# Altium PCB Sampler.PCBDOC (part 2 of 5)
Units mil, origin at the board's own origin, x right, y up, seen from the top; angles counter-clockwise.
Board outline 6299 x 3937 mil, 4 copper layers (Top, MP(GND), L3, Bot), stack 64.881 mil thick; 530 components, 318 nets, 1631 pads, 766 vias.
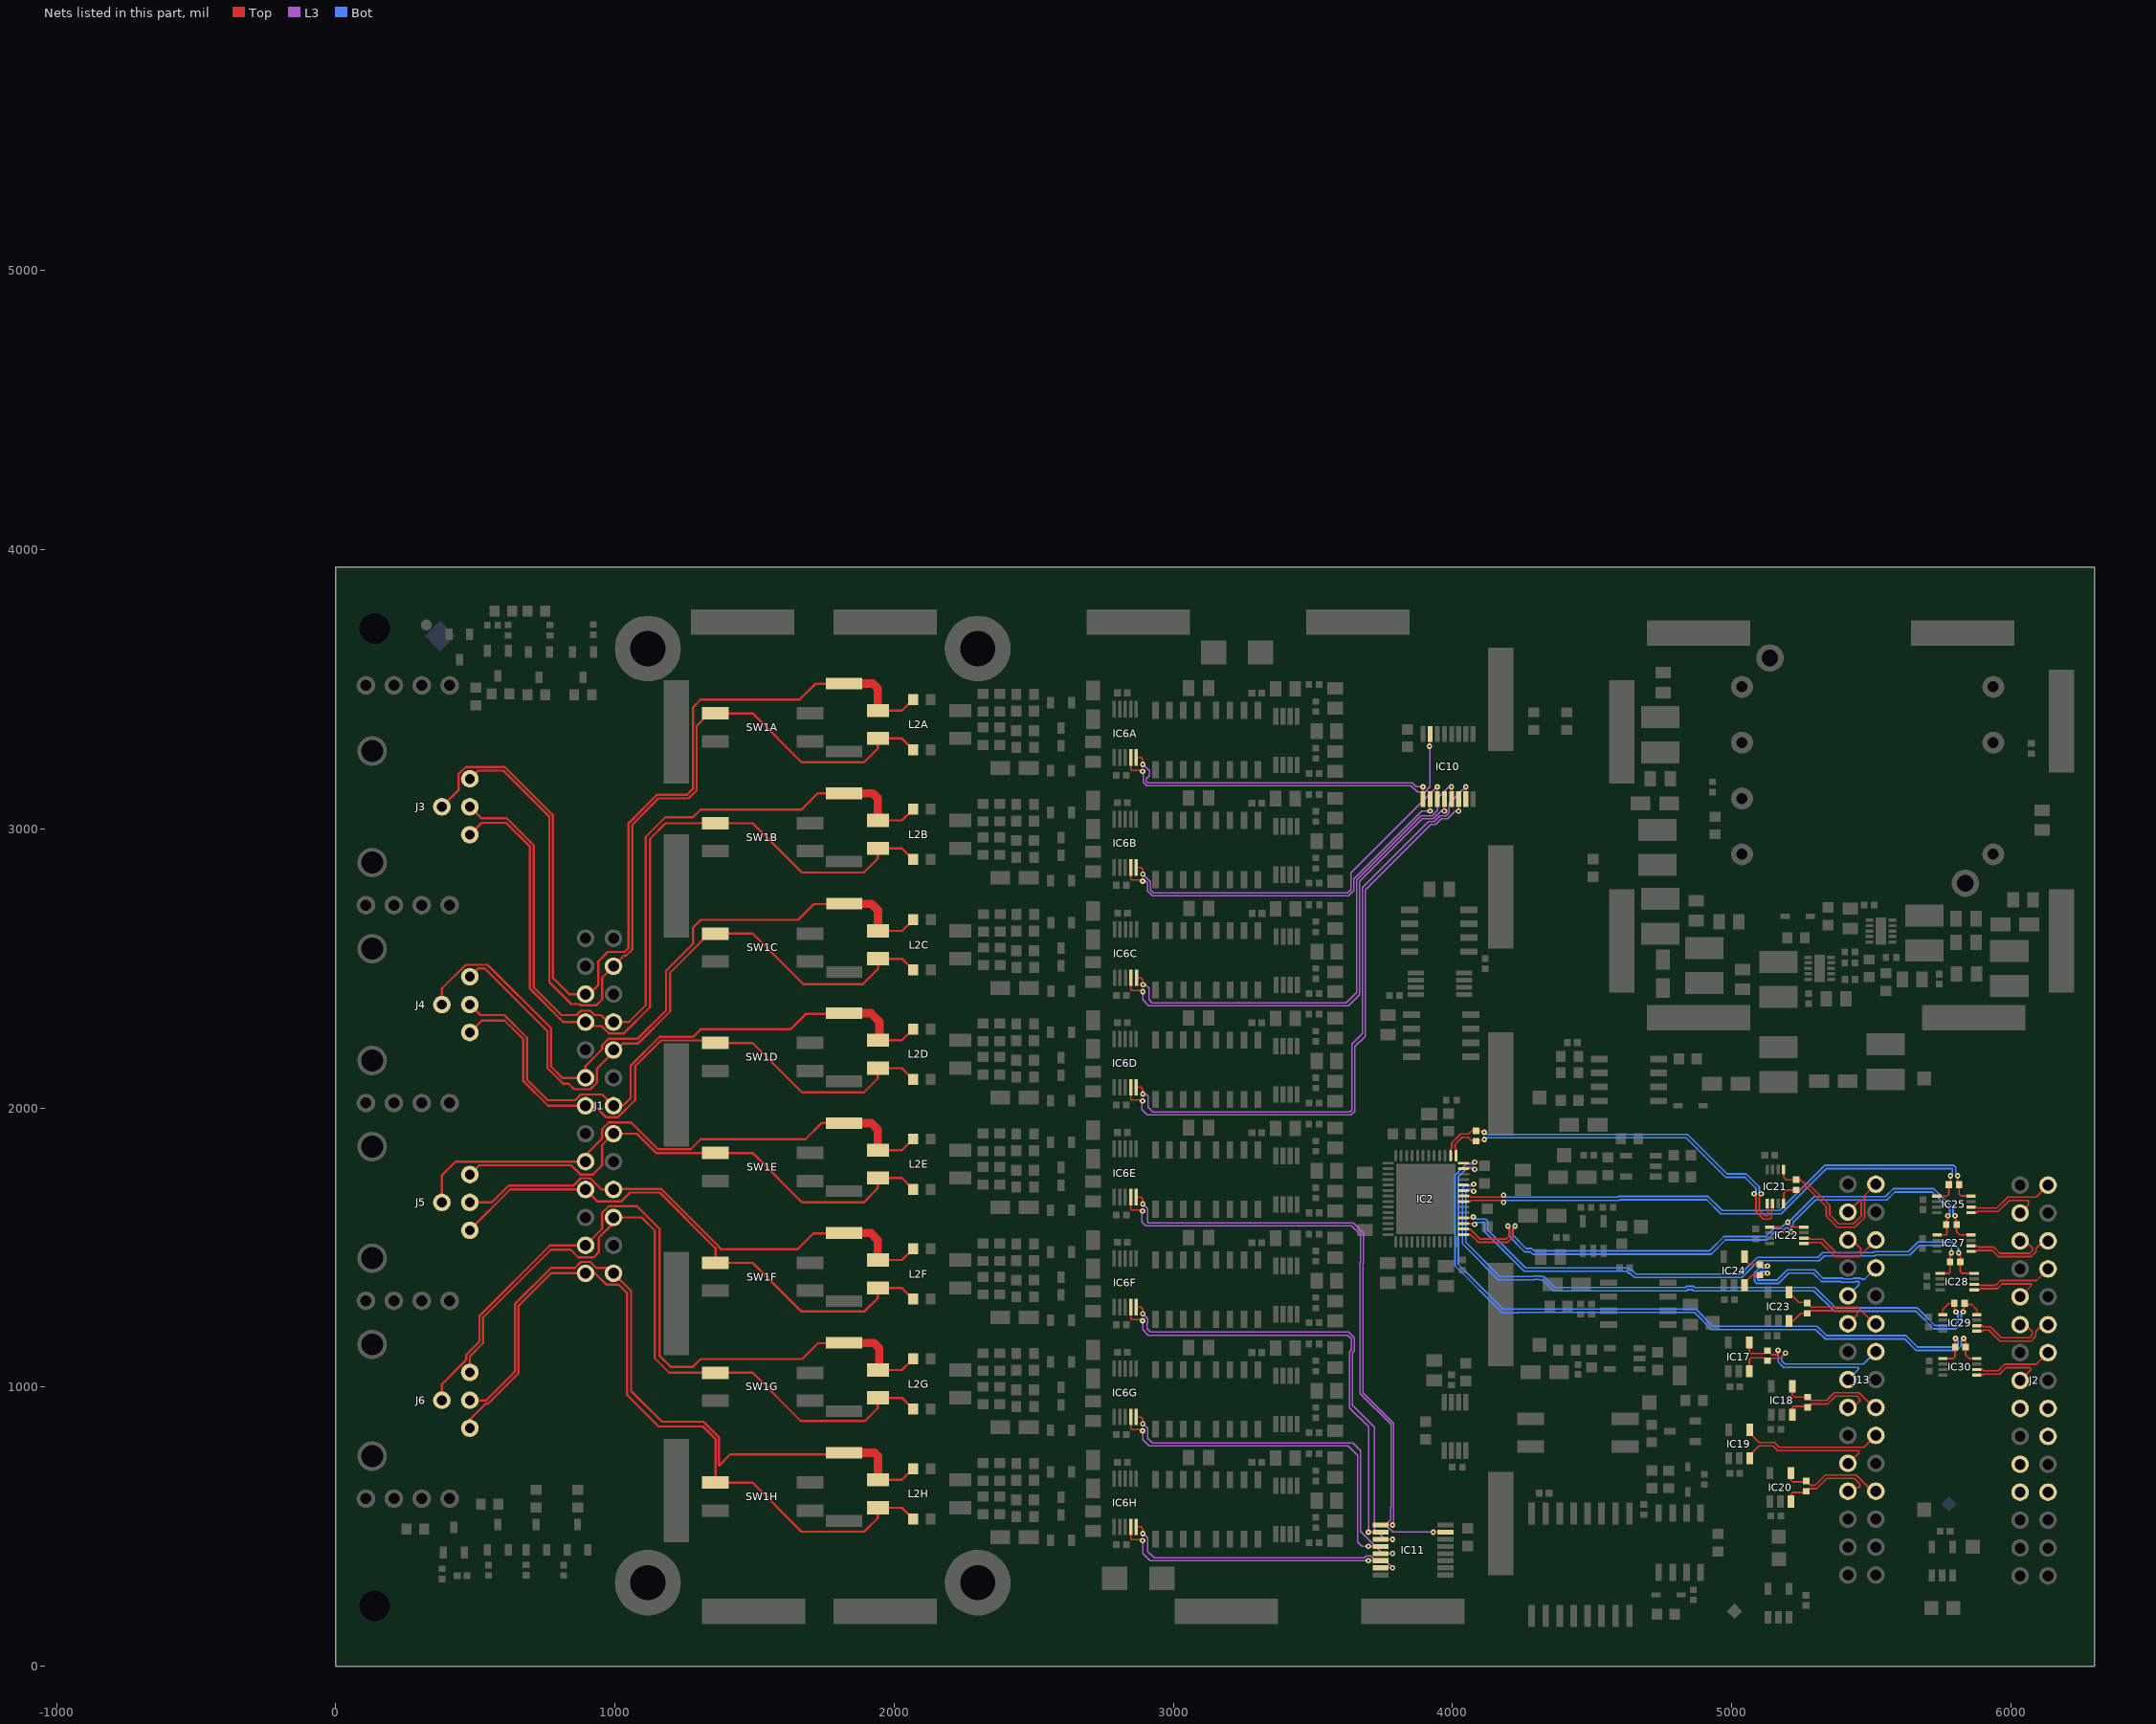
[diagram p4: the nets of this part, all layers, seen from the top]

## Footprints (in the part's own frame and the unit in brackets; to place one, negate y for a bottom-side part, rotate by r counter-clockwise, add the part's x,y. Pads: shape width x height; smd on the part's side, far side on the other; paste and mask are expansions set on the pad) (continued)
IND_MURATA-PS_8400 [mm] "Miniature Surface Mount Power Inductors, 4.5mm L X 3.3mm W X 2.9mm H, MURATA 8400 Series"
  rect 2x3.5 smd: 1(-1.6,0) 2(1.6,0)
  silkscreen extent -0.3,-1.8 0.3,1.8, body extent -2.4,-1.8 2.4,1.8, height 2.9
IND_WURTH_WE-SL2 [mm] "Common Mode SMD Line Filter WE-SL2"
  rect 2x1.2 smd: 1(-3.75,1.27) 2(-3.75,-1.27) 3(3.75,-1.27) 4(3.75,1.27)
  silkscreen extent -4.75,-3.15 4.75,3.15, body extent -4.75,-3.15 4.75,3.15, height 5.3
LED_DIALIGHT_571-0122F [mm] "2x 2mm LED (Top: Green, Bot: Green) PCB Edge Mounting (Without positioning pins) DIALIGHT 571 Serie"
  round 1.7 hole 1: 1(0,0) 2(2.54,0) 3(5.08,0) 4(7.62,0)
  silkscreen extent -6.55,-1.24 8.89,1.24, body extent -6.55,-1.24 8.89,1.24, height 8.61
QFN50P700X800X80_HS-53M [mm] "QFN, 52-Leads, Body 7.00x8.00mm, Pitch 0.50mm, Thermal Pad 5.41x6.40mm, IPC Low Density"
  oval 1.05x0.25 smd: 1(-3.425,3.25) 2(-3.425,2.75) 3(-3.425,2.25) 4(-3.425,1.75) 5(-3.425,1.25) 6(-3.425,0.75) 7(-3.425,0.25) 8(-3.425,-0.25) 9(-3.425,-0.75) 10(-3.425,-1.25) 11(-3.425,-1.75) 12(-3.425,-2.25) 13(-3.425,-2.75) 14(-3.425,-3.25) 27(3.425,-3.25) 28(3.425,-2.75) 29(3.425,-2.25) 30(3.425,-1.75) 31(3.425,-1.25) 32(3.425,-0.75) 33(3.425,-0.25) 34(3.425,0.25) 35(3.425,0.75) 36(3.425,1.25) 37(3.425,1.75) 38(3.425,2.25) 39(3.425,2.75) 40(3.425,3.25)
  oval 0.25x1.05 smd: 15(-2.75,-3.925) 16(-2.25,-3.925) 17(-1.75,-3.925) 18(-1.25,-3.925) 19(-0.75,-3.925) 20(-0.25,-3.925) 21(0.25,-3.925) 22(0.75,-3.925) 23(1.25,-3.925) 24(1.75,-3.925) 25(2.25,-3.925) 26(2.75,-3.925) 41(2.75,3.925) 42(2.25,3.925) 43(1.75,3.925) 44(1.25,3.925) 45(0.75,3.925) 46(0.25,3.925) 47(-0.25,3.925) 48(-0.75,3.925) 49(-1.25,3.925) 50(-1.75,3.925) 51(-2.25,3.925) 52(-2.75,3.925)
  rect 5.41x6.4 smd: 53(0,0)
  silkscreen extent -4.47,-4.2 3.7,4.2, body extent -3.55,-4.05 3.55,4.05, height 0.8
RENHOTEC_RHT-610-0049 [mm] "Dual Right Angle 50 Ohm BNC Jack, White Valox Case"
  round 1.6 hole 0.9: 1(-6.2,-2.54) 2(-6.2,0) 3(-6.2,2.54) 4(-3.66,0)
  round 2.7 hole 2: 6(2.69,-5.08) 7(2.69,5.08)
  silkscreen extent -9.85,-7.5 29.25,7.5, body extent -9.85,-7.5 29.25,7.5, height 29.3
RESC1005X40N [mm] "Chip Resistor, EIA 0402, Metric 1005, Body 1.0x0.5mm, IPC Medium Density"
  rect 0.58x0.62 smd: 1(-0.47,0) 2(0.47,0)
  body extent -0.52,-0.27 0.53,0.28, height 0.4
RESC1608X55N [mm] "Chip Resistor, EIA 0603, Metric 1608, Body 1.6x0.8mm, IPC Medium Density"
  rect 0.9x1 smd: 1(-0.8,0) 2(0.8,0)
  body extent -0.87,-0.47 0.88,0.48, height 0.55
RESC6331X70N [mm] "Chip Resistor, EIA 2512, Metric 6331, 2-Leads, Body 6.3x3.1mm, IPC Medium Density"
  rect 1.05x3.3 smd: 1(-3.1,0) 2(3.1,0)
  silkscreen extent -2.2,-1.65 2.2,1.65, body extent -3.25,-1.65 3.25,1.65, height 0.7
SODFL2512X100N [mm] "SODFL Diode; 1.70mm W X 1.25mm L X 1.00mm H body, IPC Medium Density"
  rect 0.84x0.46 smd: 1(-1.14,0) 2(1.14,0)
  silkscreen extent -1.47,-0.65 0.85,0.86, body extent -1.35,-0.65 1.35,0.65, height 1
SOIC127P600X175-8N [mm] "SOIC 8, Pitch 1.27mm - Body 4x5mm, IPC Medium Density"
  rect 1.55x0.6 smd: 1(-2.7,1.905) 2(-2.7,0.635) 3(-2.7,-0.635) 4(-2.7,-1.905) 5(2.7,-1.905) 6(2.7,-0.635) 7(2.7,0.635) 8(2.7,1.905)
  silkscreen extent -2.52,-2.5 1.55,2.88, body extent -3.1,-2.5 3.1,2.5, height 1.75
SOIC127P1030X265-16N [mm] "SOIC 16, Pitch 1.27mm - Body 7.5x10.3mm, IPC Medium Density"
  rect 2x0.6 smd: 1(-4.65,4.445) 2(-4.65,3.175) 3(-4.65,1.905) 4(-4.65,0.635) 5(-4.65,-0.635) 6(-4.65,-1.905) 7(-4.65,-3.175) 8(-4.65,-4.445) 9(4.65,-4.445) 10(4.65,-3.175) 11(4.65,-1.905) 12(4.65,-0.635) 13(4.65,0.635) 14(4.65,1.905) 15(4.65,3.175) 16(4.65,4.445)
  silkscreen extent -5.52,-5.15 3.33,5.37, body extent -5.18,-5.25 5.18,5.25, height 1.68
SON50P200X300X80-11N-R94X250 [mm] "SON, 10-Leads, Body 2x3mm, Pitch 0.5mm, Thermal Pad 0.94x2.5mm, IPC Medium Density"
  rect 0.7x0.3 smd: 1(-1.05,1) 2(-1.05,0.5) 3(-1.05,0) 4(-1.05,-0.5) 5(-1.05,-1) 6(1.05,-1) 7(1.05,-0.5) 8(1.05,0) 9(1.05,0.5) 10(1.05,1)
  rect 0.94x2.5 smd: 11(0,0)
  silkscreen extent -1.5,-1.55 1.05,1.6, body extent -1.05,-1.55 1.05,1.55, height 0.8
SOP50P310X90-8N [mm] "SOP, 0.50mm pitch; 8 pin, 2.30mm W X 2.00mm L X 0.90mm H body, PC Medium Density"
  rect 0.85x0.3 smd: 1(-1.55,0.75) 2(-1.55,0.25) 3(-1.55,-0.25) 4(-1.55,-0.75) 5(1.55,-0.75) 6(1.55,-0.25) 7(1.55,0.25) 8(1.55,0.75)
  silkscreen extent -1.82,-1 0.8,1.53, body extent -1.62,-1 1.62,1, height 0.9
SOP50P490X110-10N [mm] "MSOP, 10-Leads, Body 3.1x3.1mm (max), Pitch 0.50mm, IPC Medium Density"
  rect 1.5x0.3 smd: 1(-2.2,1) 2(-2.2,0.5) 3(-2.2,0) 4(-2.2,-0.5) 5(-2.2,-1) 6(2.2,-1) 7(2.2,-0.5) 8(2.2,0) 9(2.2,0.5) 10(2.2,1)
  silkscreen extent -2.82,-1.5 1.13,1.77, body extent -2.45,-1.55 2.45,1.55, height 1.1
SOP65P490X110-8N [mm] "SOP, 0.65mm pitch; 8 pin, 3.00mm W X 3.00mm L X 1.10mm H body, IPC Medium Density"
  rect 1.5x0.45 smd: 1(-2.2,0.975) 2(-2.2,0.325) 3(-2.2,-0.325) 4(-2.2,-0.975) 5(2.2,-0.975) 6(2.2,-0.325) 7(2.2,0.325) 8(2.2,0.975)
  silkscreen extent -2.82,-1.5 1.12,1.82, body extent -2.45,-1.55 2.45,1.55, height 1.1
SOP65P640X120-16N [mm] "SOP, 0.65mm pitch; 16 pin, 4.40mm W X 5.00mm L X 1.20mm H body IPC Medium Density"
  rect 1.45x0.45 smd: 1(-2.95,2.275) 2(-2.95,1.625) 3(-2.95,0.975) 4(-2.95,0.325) 5(-2.95,-0.325) 6(-2.95,-0.975) 7(-2.95,-1.625) 8(-2.95,-2.275) 9(2.95,-2.275) 10(2.95,-1.625) 11(2.95,-0.975) 12(2.95,-0.325) 13(2.95,0.325) 14(2.95,0.975) 15(2.95,1.625) 16(2.95,2.275)
  silkscreen extent -3.07,-2.55 1.85,3.17, body extent -3.12,-2.55 3.12,2.55, height 1.2
SOT95P240X110-3N [mm] "SOT23 3-Leads, Pitch 0.95mm, Body 1.3x2.9mm, IPC Medium Density"
  rect 1.05x0.65 smd: 1(-1.15,0.95) 2(-1.15,-0.95) 3(1.15,0)
  silkscreen extent -1.52,-1.45 0.3,1.92, body extent -1.25,-1.5 1.25,1.5, height 1.1
SOT95P280X100-5N [mm] "SOT23, 0.95mm pitch; 5 pin, 1.625mm W X 2.9mm L, IPC Medium Density"
  rect 1.1x0.55 smd: 1(-1.35,0.95) 2(-1.35,0) 3(-1.35,-0.95) 4(1.35,-0.95) 5(1.35,0.95)
  silkscreen extent -1.78,-1.45 0.48,1.87, body extent -1.4,-1.5 1.4,1.5, height 1
SOT95P280X145-5N [mm] "SOT, 0.95mm pitch; 5 pin, 1.60mm W X 2.90mm L X 1.45mm H body, IPC Medium Density"
  rect 1.1x0.6 smd: 1(-1.3,0.95) 2(-1.3,0) 3(-1.3,-0.95) 4(1.3,-0.95) 5(1.3,0.95)
  silkscreen extent -1.72,-1.45 0.43,1.87, body extent -1.4,-1.5 1.4,1.5, height 1.45
SW_CTS_204-121ST [mm] "Body 7.26 x 9.78mm SPST DIP Switch, 204 Series"
  rect 1.13x2.44 smd: 1(-1.27,-4.3) 2(1.27,-4.3) 3(1.27,4.3) 4(-1.27,4.3)
  silkscreen extent -3.63,-4.89 3.63,4.89, body extent -3.63,-5.2 3.63,5.2, height 10.36
TPS127 [mil] "1.27 x  1.27mm SMD Test Point Area"
  rect 50x50 smd paste-50: 1(0,0)
  silkscreen extent -37,-37 37,37

## Part data
C1 C29 C44 C66 C68 C69 C112 C117: library part CC0603_1UF_25V_10%_X7R, "Non-polarised capacitor"
C2: library part CC0603_2.2UF_16V_10%_X5R, "Non-polarised capacitor"
C3 C4 C5 C7 C8 C54 C57 C94: library part CC0603_100NF_50V_10%_X7R, "Non-polarised capacitor"
C6 C9 C12 C13 C14 C15 C16: library part CC0805_10UF_25V_10%_X5R, "Non-polarised capacitor"
C10A C10B C10C C10D C10E C10F C10G C10H C11A C11B C11C C11D C11E C11F C11G C11H C18 C19 C28 C49 C50 C51 C52 C56 C60 C115 C118: library part CTE3216-18_10UF_16V_20%_AVX_TCJ, "Polarised capacitor"
C17A C17B C17C C17D C17E C17F C17G C17H C23A C23B C23C C23D C23E C23F C23G C23H C25A C25B C25C C25D C25E C25F C25G C25H: library part CC0805_2.2NF_25V_1%_C0G, "Non-polarised capacitor"
C20 C21 C22 C24 C30 C31 C33 C37 C38 C43 C45 C46 C55 C58 C62 C63 C67 C120 C122 C153 C154 C156 C157 C158 C159 C160 C161 C162: library part CC0402_100NF_16V_10%_X5R, "Non-polarised capacitor"
C26 C27 C32 C34 C36 C39 C40 C42 C48 C53 C59 C61 C64 C121 C123: library part CC0805_22UF_16V_10%_X5R, "Non-polarised capacitor"
C35A C35B C35C C35D C35E C35F C35G C35H C41A C41B C41C C41D C41E C41F C41G C41H C70A C70B C70C C70D C70E C70F C70G C70H C71A C71B C71C C71D C71E C71F C71G C71H: library part CC0402_100NF_16V_10%_X7R, "Non-polarised capacitor"
C47 C65 C114 C116: library part CC0603_10NF_50V_10%_X7R, "Non-polarised capacitor"
C72A C72B C72C C72D C72E C72F C72G C72H: library part CC0805_82PF_100V_1%_NP0_AVX_08051A820FAT2A, "Non-polarised capacitor"
C73A C73B C73C C73D C73E C73F C73G C73H C74A C74B C74C C74D C74E C74F C74G C74H C75 C76: library part CC0805_47NF_25V_5%_C0G, "Non-polarised capacitor"
C85A C85B C85C C85D C85E C85F C85G C85H C88A C88B C88C C88D C88E C88F C88G C88H: library part CC0603_18PF_50V_5%_NP0, "Non-polarised capacitor"
CLIP1 CLIP2 CLIP3 CLIP4 CLIP5 CLIP6 CLIP7 CLIP8 CLIP9 CLIP10 CLIP11 CLIP12 CLIP13 CLIP14 CLIP15 CLIP16 CLIP17 CLIP18 CLIP19 CLIP20 CLIP21 CLIP22 CLIP23 CLIP24 CLIP25 CLIP26: "Surface Mount Clip for PCB Screening Covers"
D1A D1B D1C D1D D1E D1F D1G D1H D3A D3B D3C D3D D3E D3F D3G D3H: "Serial Diode"
D2 D4 D5 D6: "Diode"
D8 D9: "Zener Diode"
FTG17: library part FIDUCIAL_TARGET_C100-200, "Fiducial Target"
FTG18 FTG20: library part FIDUCIAL_TARGET_S100-200, "Fiducial Target"
FTG19: library part FIDUCIAL_TARGET_S200-400, "Fiducial Target"
IC1: "0.25ppm Noise, Low Drift Precision Buffered Voltage Reference"
IC2: "Octal, 16-Bit, 1.5Msps/Ch  Simultaneous Sampling ADC"
IC3: "CONV DC/DC 6W DUAL 12V +-12V PCB"
IC4 IC7: "100mA, Low Noise, LDO Micropower Adjustable Regulator in SOT-23"
IC5 IC12A IC12B IC12C IC12D IC12E IC12F IC12G IC12H: "36-V, Precision, Rail-to-Rail Input Output, Low Offset Voltage Op Amp 8-VSSOP"
IC6A IC6B IC6C IC6D IC6E IC6F IC6G IC6H: "10MHz, 20V/us, G= 1, 10, 100, 1000 iCMOS Programmable Gain Instrumentation Amplifier"
IC8 IC26: "4.75-28VDC to 1-6VDC, 500mA Step-Down Converter With Sleep Mode"
IC9 IC40: "1.7V-5.5V, 2K I2C Serial EEPROM With EUI-48 Node Identity"
IC10 IC11: "8-Bit Shift Register With 3-State Output Register"
IC13 IC16: "1.22V to 20V 500mA, Low Noise, LDO Adjustable Micropower Regulator"
IC14: "200mA, Low Noise, Low Dropout Negative Micropower Regulator"
IC15: "Dual Operational Amplifier"
IC17 IC18 IC20 IC23 IC24: "High-Speed Differential Line Receiver"
IC19: "High-Speed Differential Line Driver"
IC21 IC22 IC25 IC27 IC28 IC29 IC30: "LVDS Single Port High Speed Repeater"
IC38: "Remote 8-bit I/O Expander For I2C Bus"
J1: library part 3M_N2526-6002RB, "Connector 26 Male"
J2 J13: library part 3M_N2530-6002RB, "Connector 30 Male"
J3 J4 J5 J6: "Dual Right Angle 50 Ohm BNC Jack, White Valox Case"
L1 L3 L4 L5 L6 L10 L11 L12 L13: library part IND_10UH_10%_MURATA-PS_8400, "Inductor With Core"
L2A L2B L2C L2D L2E L2F L2G L2H: library part IND_6.5MH_50%_WURTH_WE-SL2-744229, "Inductor Common Mode"
LD1 LD2 LD3 LD4 LD5: library part LED_DIALIGHT_571-0122F, "LED x2 Green 1C2A-BOT_3C4A-TOP"
R1 R8 R10 R11 R15: library part R0402_0R_JUMPER, "Resistor"
R2: library part R0603_1K_1%_0.1W_100PPM, "Resistor - 1%"
R3 R6 R7 R37A R37B R37C R37D R37E R37F R37G R37H R86A R86B R86C R86D R86E R86F R86G R86H: library part R0603_NO-VALUE, "Resistor"
R4A R4B R4C R4D R4E R4F R4G R4H: library part R2512_49R9_1%_1W_100PPM_VISHAY_CRCW, "Resistor - 1%"
R5 R12 R13 R49 R68 R69 R70 R71: library part R0402_10K_1%_0.0625W_100PPM, "Resistor - 1%"
R9 R17 R30 R31 R36 R39 R40 R44 R45 R46 R47 R55: library part R0402_100R_1%_0.1W_100PPM, "Resistor - 1%"
R14A R14B R14C R14D R14E R14F R14G R14H R16A R16B R16C R16D R16E R16F R16G R16H: library part R0402_51R_1%_0.0625W_100PPM, "Resistor - 1%"
R18 R27 R38 R143: library part R0603_2K7_1%_0.1W_100PPM, "Resistor - 1%"
R19: library part R0402_36R_1%_0.0625W_100PPM, "Resistor - 1%"
R20: library part R0603_270K_1%_0.1W_100PPM, "Resistor - 1%"
R21: library part R0603_82K_1%_0.1W_100PPM, "Resistor - 1%"
R22 R26 R32 R52 R56 R142: library part R0603_24K_1%_0.1W_100PPM, "Resistor - 1%"
R23 R50A R50B R50C R50D R50E R50F R50G R50H: library part R0402_2K4_1%_0.0625W_100PPM, "Resistor - 1%"
R24: library part R0402_33K_1%_0.0625W_100PPM, "Resistor - 1%"
R25: library part R0402_62K_1%_0.0625W_100PPM, "Resistor - 1%"
R28 R51 R57: library part R0402_5K1_1%_0.0625W_100PPM, "Resistor - 1%"
R29: library part R0402_120K_1%_0.0625W_100PPM, "Resistor - 1%"
R33A R33B R33C R33D R33E R33F R33G R33H R41A R41B R41C R41D R41E R41F R41G R41H: library part R0603_0R_JUMPER, "Resistor"
R34A R34B R34C R34D R34E R34F R34G R34H R42A R42B R42C R42D R42E R42F R42G R42H: library part R0603_1K8_1%_0.1W_100PPM, "Resistor - 1%"
R35A R35B R35C R35D R35E R35F R35G R35H R43A R43B R43C R43D R43E R43F R43G R43H: library part R0603_100K_1%_0.1W_100PPM, "Resistor - 1%"
R48 R53: library part R0402_51K_1%_0.0625W_100PPM, "Resistor - 1%"
R54: library part R0402_47K_1%_0.0625W_100PPM, "Resistor - 1%"
R58 R59 R60 R61 R62 R63 R64 R65 R66 R67: library part R0603_220R_1%_0.1W_100PPM, "Resistor - 1%"
RN1A RN1B RN1C RN1D RN1E RN1F RN1G RN1H RN2A RN2B RN2C RN2D RN2E RN2F RN2G RN2H RN3 RN4: library part RN_10K_5K_VISHAY_AORN2-1AT3, "DIL8 Resistor Network 4 Resistors 10k-5k-5k-10k 0.1%"
SW1A SW1B SW1C SW1D SW1E SW1F SW1G SW1H SW2: library part SW_CTS_204-121ST, "2x SPST DIP Switch 1NO + 1NF"
T1 T2 T3 T4 T5 T6 T7 T8 T9: "N-CHANNEL MOSFET WITH DIODE"
TP1 TP2 TP3 TP4 TP5 TP6 TP7 TP8 TP9 TP10 TP11 TP12 TP13: library part SMD_PAD_1.27X1.27MM

## Free pads (board coordinates)
  round 236.22 hole 125.98: 0(2299.21,299.21) 1(2299.21,3645.67) 2(1118.11,3645.67) 3(1118.11,299.21)
  round 50 hole 110: 1(140,3717) 2(140,217)

## Via types
v1: diameter 19.68, hole 7.87, Top to Bot, tented both sides, 739 vias
v2: diameter 23.62, hole 11.81, Top to Bot, tented both sides, 15 vias
v3: diameter 23.62, hole 11.81, Top to Bot, 6 vias
v4: diameter 39.37, hole 23.62, Top to Bot, tented both sides, 6 vias

## Nets (pads, with @x,y where several pads share a name; then routed paths per layer and width w, separated by ;. In a path a pad name is that pad's centre, name@x,y a point inside that pad or via, vN(x,y) a via of type N, cw(c..) or ccw(c..) an arc to the next point about the centre after c; other vN are vias at no path point)
ADC_CLKOUT_N: IC2.34 IC25.8 R44.2 | length 2011.6
  Top w6: IC2.34@4039.17,1684.46 4062.84,1684.46 4066.69,1680.62 4176.23,1680.62 v1(4183.07,1687.46) ; v1(5808.91,1756.89) 5808.91,1730.8 R44.2@5814.57,1725.14 5814.57,1691.34 5820.87,1685.04 5856.08,1685.04 IC25.8@5856.91,1684.21
  Bot w6: v1(4183.07,1687.46) 4183.07,1682.59 4185.04,1680.62 4591.17,1680.62 4593.94,1683.39 4915.04,1683.39 4957.18,1641.24 4965.6,1632.82 5171.21,1632.82 5332.87,1794.48 5795.03,1794.48 5802.06,1787.45 5802.06,1763.73 v1(5808.91,1756.89)
ADC_CLKOUT_P: IC2.33 IC25.1 R44.1 | length 1991.7
  Top w6: IC2.33@4039.17,1664.78 4062.84,1664.78 4066.69,1668.62 4176.23,1668.62 v1(4183.07,1661.78) ; IC25.1@5734.87,1684.21 5769.84,1684.21 5777.56,1691.93 R44.1@5777.56,1725.14 5783.22,1730.8 v1(5783.22,1756.89)
  Bot w6: v1(4183.07,1661.78) 4183.07,1666.65 4185.04,1668.62 4596.15,1668.62 4598.91,1671.39 4910.07,1671.39 4960.63,1620.82 5176.18,1620.82 5337.84,1782.48 5790.06,1782.48 5790.06,1763.73 v1(5783.22,1756.89)
ADC_IN_N0: J1.23 J3.1 L2A.2 R37A.1 SW1A.1 | length 3319
  Top w8: J3.1@480.31,3178.98 509.99,3208.66 600.39,3208.66 765,3044.06 765,2451 844,2372 873.48,2372 878.1,2367.38 933.38,2367.38 954.38,2388.38 954.38,2467.38 J1.23@994.88,2507.87 1033.06,2546.06 1040.15,2546.06 1062.01,2567.91 1062.01,3015.08 1155.98,3109.05 1264.05,3109.05 1292.59,3137.59 1292.59,3369 1337.36,3413.77 SW1A.1@1359.92,3413.77 1493,3413.77 1668.58,3238.19 1892.64,3238.19 1941.57,3287.13 L2A.2@1941.57,3323.77 2027.72,3323.77 R37A.1@2067.72,3283.77
ADC_IN_N1: J1.20 J3.3 L2B.2 R37B.1 SW1B.1 | length 3027.8
  Top w8: J3.3@480.31,2978.98 522.98,3021.65 610.24,3021.65 696,2935.89 696,2427 815.13,2307.87 J1.20@894.88,2307.87 909.44,2293.31 952.17,2293.31 978.1,2267.38 1032.13,2267.38 1125.98,2361.23 1125.98,2964.57 1181.1,3019.68 1336.98,3019.68 1337.36,3020.07 SW1B.1@1359.92,3020.07 1493,3020.07 1669.57,2843.5 1891.65,2843.5 1941.57,2893.43 L2B.2@1941.57,2930.07 2027.72,2930.07 R37B.1@2067.72,2890.07
ADC_IN_N2: J1.17 J4.1 L2C.2 R37C.1 SW1C.1 | length 2345.9
  Top w8: J4.1@480.31,2470.32 509.99,2500 533.41,2500 757.87,2275.54 757.87,2143.15 814.41,2086.61 834.39,2086.61 853.62,2067.38 912.38,2067.38 935.37,2090.37 935.37,2140.5 J1.17@994.88,2200 ; J1.17@994.88,2207.87 1005.12,2207.87 1028.54,2231.3 1083.66,2231.3 1197.83,2345.47 1197.83,2484.62 1337.85,2624.64 SW1C.1@1360.42,2624.64 1493.49,2624.64 1674.24,2443.9 1887.97,2443.9 1942.07,2498 L2C.2@1942.07,2534.65 2028.21,2534.65 R37C.1@2068.21,2494.65
ADC_IN_N3: J1.14 J4.3 L2D.2 R37D.1 SW1D.1 | length 2171.5
  Top w8: J4.3@480.31,2270.32 522.98,2312.99 605.01,2312.99 672,2246 672,2096.38 760.51,2007.87 J1.14@894.88,2007.87 927.17,2007.87 967.66,1967.38 1011.65,1967.38 1072.83,2028.56 1072.83,2149.61 1165.35,2242.13 1327.9,2242.13 1337.36,2232.67 SW1D.1@1359.92,2232.67 1493,2232.67 1669.57,2056.1 1891.65,2056.1 1941.57,2106.02 L2D.2@1941.57,2142.67 2027.72,2142.67 R37D.1@2067.72,2102.67
ADC_IN_N4: J1.11 J5.1 L2E.2 R37E.1 SW1E.1 | length 1894.7
  Top w8: J5.1@480.31,1761.66 513.65,1795 842.66,1795 876,1761.66 921.66,1761.66 954.38,1794.38 954.38,1867.38 J1.11@994.88,1907.87 1078.35,1907.87 1147.26,1838.96 SW1E.1@1359.92,1838.96 1493,1838.97 1670.55,1661.42 1890.67,1661.42 1941.57,1712.32 L2E.2@1941.57,1748.97 2027.72,1748.97 R37E.1@2067.72,1708.97
ADC_IN_N5: J1.8 J5.3 L2F.2 R37F.1 SW1F.1 | length 1959.8
  Top w8: J5.3@480.31,1561.66 480.31,1562.99 625.2,1707.87 J1.8@894.88,1707.87 937.75,1665 1023.62,1665 1023.62,1666.34 1054.13,1696.85 1160.43,1696.85 1359.92,1497.36 SW1F.1@1359.92,1445.27 1493,1445.27 1666.62,1271.65 1894.61,1271.65 1941.57,1318.62 L2F.2@1941.57,1355.27 2027.72,1355.27 R37F.1@2067.72,1315.27